# Altium PCB AMS_LV.PcbDoc (part 2 of 2)
Units mm, origin at the board's own origin, x right, y up, seen from the top; angles counter-clockwise.
Board outline 96.8 x 127.1 mm, 2 copper layers (Top Layer, Bottom Layer); 108 components, 81 nets, 367 pads, 182 vias.
Unrouted connection lines stored in the file: 4.
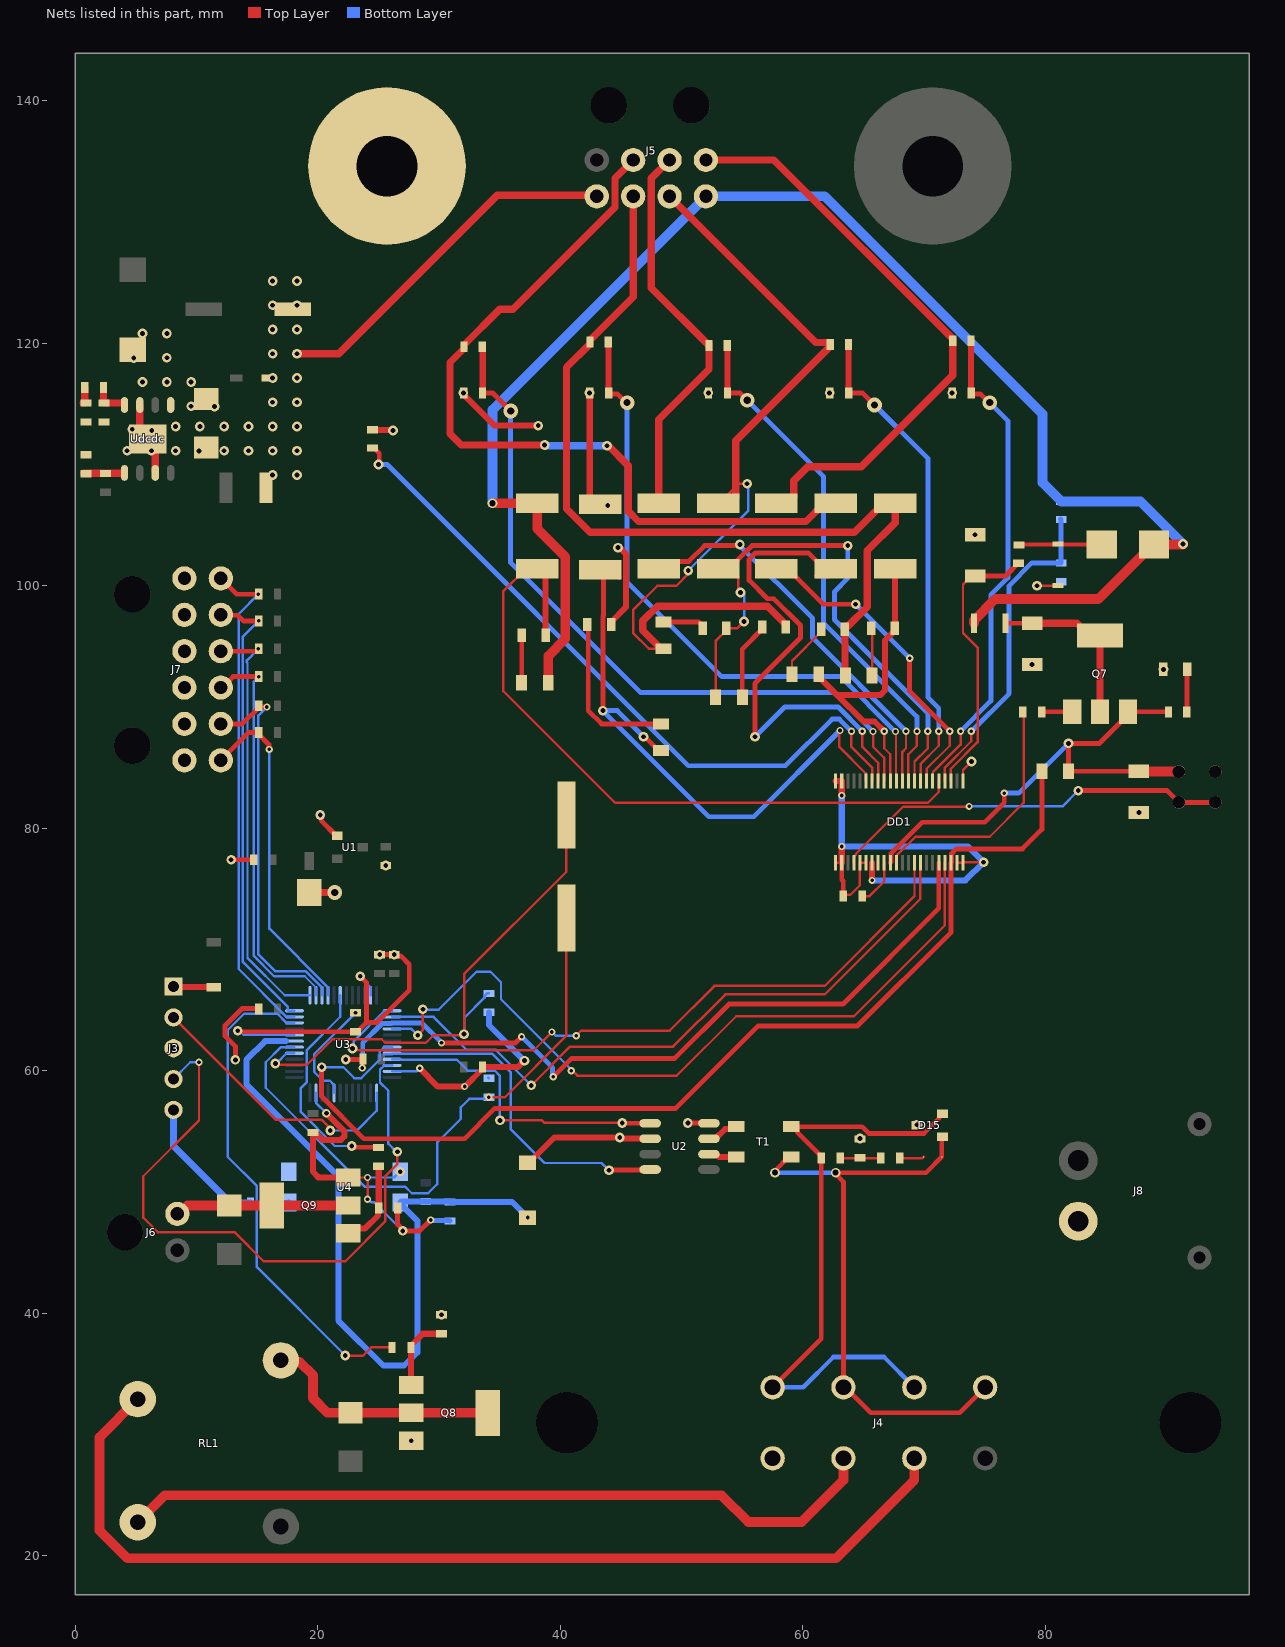
[diagram p2: the nets of this part, all layers, seen from the top]

## Via types
v1: diameter 0.8, hole 0.4, Top Layer to Bottom Layer, 69 vias
v2: diameter 0.8, hole 0.4, Top Layer to Bottom Layer, tented both sides, 59 vias
v3: diameter 0.6, hole 0.3, Top Layer to Bottom Layer, 43 vias
v4: diameter 1.2, hole 0.6, Top Layer to Bottom Layer, 6 vias
v5: diameter 0.8, hole 0.5, Top Layer to Bottom Layer, 3 vias
v6: diameter 0.7, hole 0.4, Top Layer to Bottom Layer, 1 vias
v7: diameter 1, hole 0.5, Top Layer to Bottom Layer, 1 vias

## Nets (pads, with @x,y where several pads share a name; then routed paths per layer and width w, separated by ;. In a path a pad name is that pad's centre, name@x,y a point inside that pad or via, vN(x,y) a via of type N, cw(c..) or ccw(c..) an arc to the next point about the centre after c; other vN are vias at no path point) (continued)
"BAT V+": D14.1 J5.1 R2.2 R4.2 R31.2 R36.2 | length 127.3
  Top Layer w0.8: v5(34.4,106.8) R4.2@38.1,106.8 38.1,104.692 40.4,102.392 40.4,95.6 39,94.2 R2.2@39,92 ; R36.2@74.1,96.9 74.1,97.15 75.85,98.9 84.35,98.9 88.85,103.4 D14.1@88.95,103.4 91.307,103.4 v1(91.346,103.439)
  Bottom Layer w0.8: v5(34.4,106.8) 34.4,114.5 J5.1@52,132.1 61.8,132.1 79.75,114.15 79.75,108.5 R31.2@81.3,106.95 87.835,106.95 v1(91.346,103.439)
"BAT V-": "pad.Holder holes"@25.7,134.6 B1.2 C2.2 C3.2 C4.2 C5.2 C6.2 C7.2 C8.1 C9.1 C10.1 C11.2 C12.2 C13.2 C15.1 C16.2 C17.2 C18.1 C19.1 C20.1 C21.1 C22.1 C23.2 Cc1.1 Cin.2 Cout.1 D3.2 D13.1 D15.3 D17.2 DD1.1 DD1.21 DD1.22 DD1.23 DD1.24 DD1.27 DD1.28 DD1.29 DD1.43 DD1.44 Dout.1 Dtvs.1 J2.2 J3.3 J4.5 J5.4 J7.7 J7.8 J7.9 J7.10 J7.11 J7.12 J8.2 Q8.3 Q9.3 R5.2 R15.2 R42.2 R43.2 R50.2 Rc.1 Rf2.1 U1.1 U2.2 U2.8 U3.8 U3.23 U3.35 U3.47 U4.2 U4.3 Udcdc.3 Udcdc.7 Udcdc.A VD1.2 | length 213.4
  Top Layer w0.2: Q9.3@22.5,51.2 23,51.7 23.5,51.2 v3(24.1,51.2) v3(24.1,49.4) ; DD1.23@62.7,77.15 DD1.24@63.2,77.15 ; C15.1@63.32,74.4 63.42,74.5 63.9,74.5 64.7,75.3 DD1.27@64.7,77.15 DD1.28@65.2,77.15 ; DD1.43@72.7,77.15 DD1.44@73.2,77.15 73.2,77.175 73.225,77.2 v1(74.9,77.2) ; DD1.1@73.2,83.9 73.2,84.8 v1(73.9,85.5) ; v1(79.3,100) VD1.2@81.1,100
  Top Layer w0.254: 34.8,132.05 34.8,132.2
  Top Layer w0.4: v1(12.85,77.4) C9.1@14.72,77.4 ; v1(13.2,60.9) 13.2,62.015 12.35,62.865 12.35,63.735 13.753,65.137 15.083,65.137 C21.1@15.12,65.1 ; v1(13.4,63.3) 13.508,63.3 13.588,63.22 23.25,63.22 24,63.97 ; v1(20.2,81.1) 20.277,81.023 20.277,80.623 21.5,79.4 U1.1@21.6,79.4 ; v1(23.5,67.8) 24,67.3 24,63.97 ; v1(25.1,69.58) v1(26.3,69.58) 26.4,69.48 26.82,69.48 27.534,68.766 27.534,66.634 24.87,63.97 24,63.97 ; R43.2@26.58,48.85 R43.2@26.58,48.7 26.58,47.328 27,46.908 v1(27,46.8) 28.4,46.8 v3(29.3,47.7) ; v1(50.51,55.69) 52.23,55.69 U2.8@52.25,55.67 ; DD1.24@63.2,77.15 63.2,75.773 63.32,75.653 C15.1@63.32,74.4
  Top Layer w0.5: v6(20.7,56.5) 22.193,55.007 22.193,54.593 21.9,54.3 20.37,54.3 19.75,54.92 C22.1@19.6,54.92 19.6,51.681 20,51.281 20,51.2 Q9.3@22.5,51.2 ; R15.2@24.5,112.85 v1@26.25,112.85 ; v3(28.4,60.2) 29.9,58.7 v3(32.1,58.7) 32.13,58.7 33.58,60.15 C18.1@33.58,60.3 36.5,60.3 v1(37.037,60.837) ; C2.2@32.02,115.9 32.02,115.75 34.57,113.2 v1(38.18,113.2) v1@38.2,113.2 ; B1.2@37.3,52.4 37.4,52.4 39.5,54.5 v1(44.9,54.5) 44.981,54.5 45.081,54.4 47.316,54.4 U2.2@47.358,54.358 ; C3.2@42.42,115.9 42.42,107.25 42.97,106.7 R5.2@43.3,106.7 ; D3.2@44.175,96.8 44.175,97 45.425,98.25 45.425,102.575 v1@44.8,103.2 ; DD1.22@62.7,83.9 DD1.21@63.2,83.9 v3(63.2,82.7) ; DD1.24@63.2,77.15 v3(63.2,78.5) ; v3(65.7,75.7) DD1.29@65.7,77.15
  Top Layer w0.6: Udcdc.3@5.325,114.9 5.325,112.735 Udcdc.A@5.96,112.1 Udcdc.A@6.595,111.465 ; Udcdc.7@6.595,109.425 Udcdc.A@6.595,111.465 ; Udcdc.A@6.595,112.24 Udcdc.A@6.595,111.465 ; v2(18.275,119.125) 21.725,119.125 34.8,132.2 42.9,132.2 J5.4@43,132.1 ; D13.1@19.3,74.7 v4(21.4,74.7)
  Bottom Layer w0.2: v1(13.2,60.9) v1@13.3,61 ; v1@13.3,63.2 v1(13.4,63.3) 13.562,63.3 13.912,62.95 U3.8@18.075,62.95 ; U3.47@19.85,58.175 19.86,58.165 19.86,57.34 v6(20.7,56.5) ; v1(23.5,67.8) 23.5,67.738 24.35,66.888 U3.23@24.35,66.225 ; v3(24.1,49.4) 24.167,49.4 24.417,49.15 24.65,49.15 v1(27,46.8) ; v3(24.1,51.2) 26.27,51.2 26.77,51.7 v1(26.8,51.67) ; U3.35@26.125,59.95 28.15,59.95 v3(28.4,60.2) ; C17.2@34.062,59.418 C17.2@34.1,59.38
  Bottom Layer w0.4: v3(29.3,47.7) 29.338,47.662 30.858,47.662 C23.2@30.9,47.62
  Bottom Layer w0.5: C16.2@34.1,64.82 34.1,64.77 34.1,63.775 v1(37.037,60.837) ; v3(63.2,82.7) v3(63.2,78.5) 73.6,78.5 v1(74.9,77.2) 73.4,75.7 v3(65.7,75.7)
  other v1: 27.7,29.5 30.2,39.88 64.7,54.415 69.4,55.55 25.6,76.92 87.7,81.3 89.725,93.1 78.9,93.5 44.746,103.139 74.2,104.2 43.9,106.6 26.196,112.789 32,115.9 42.4,115.9 52.2,115.9 62.2,115.9 72.3,115.9
  other v2: 16.275,109.125 18.275,109.125 10.2,111.1 4.275,111.125 6.275,111.125 8.275,111.125 12.275,111.125 14.275,111.125 16.275,111.125 18.275,111.125 6.3,112.8 4.7,112.9 8.275,113.125 10.275,113.125 12.275,113.125 14.275,113.125 16.275,113.125 18.275,113.125 16.275,115.125 18.275,115.125 16.275,117.125 18.275,117.125 16.275,119.125 16.275,121.125 18.275,121.125 16.275,123.125 18.275,123.125 16.275,125.125 18.275,125.125
C0: DD1.16 R15.1 | length 57.8
  Top Layer w0.2: v3(64,88) 64,86.7 65.7,85 DD1.16@65.7,83.9
  Top Layer w0.4: R15.1@24.5,111.35 24.65,111.35 25.069,110.931 25.069,110.069 v1(25,110)
  Bottom Layer w0.4: v1(25,110) 25.7,110 50.55,85.15 58.55,85.15 62.4,89 63,89 v3(64,88)
C1: C2.1 DD1.14 R26.1 | length 59.4
  Top Layer w0.2: v3(65.773,87.973) 65.8,87.945 65.8,86.7 66.7,85.8 DD1.14@66.7,83.9
  Top Layer w0.4: C2.1@33.58,115.9 34.4,115.9 v4(35.895,114.405)
  Top Layer w0.5: R26.1@33.55,119.7 33.6,119.65 33.6,115.92 C2.1@33.58,115.9
  Bottom Layer w0.4: v4(35.895,114.405) 35.895,101.905 46.6,91.2 62.6,91.2 64.167,89.633 64.167,89.617 65.773,88.011 v3(65.773,87.973)
C2: C3.1 DD1.12 R27.1 | length 52
  Top Layer w0.2: v3(67.627,87.973) 67.675,87.925 67.675,84.176 DD1.12@67.7,84.151
  Top Layer w0.4: C3.1@44.03,115.814 44.705,115.814 v4@45.419,115.1
  Top Layer w0.5: R27.1@43.95,120.1 43.965,120.085 43.965,115.915 C3.1@43.98,115.9 43.98,115.864 C3.1@44.03,115.814 ; v4@45.419,115.1 v4(45.5,115.1)
  Bottom Layer w0.4: v4(45.5,115.1) 45.5,100.3 53.3,92.5 63.1,92.5 v3(67.627,87.973)
C3: C4.1 DD1.10 R28.1 | length 43.5
  Top Layer w0.2: DD1.10@68.7,83.9 68.7,86.1 69.4,86.8 v3(69.4,88) v3@69.4,88.2
  Top Layer w0.4: C4.1@53.78,115.9 54.8,115.9 v4(55.4,115.3)
  Top Layer w0.5: R28.1@53.75,119.8 53.765,119.785 53.765,115.915 C4.1@53.78,115.9
  Bottom Layer w0.4: v4(55.4,115.3) 61.7,109 61.7,96.9 69.4,89.2 v3(69.4,88)
C4: C5.1 DD1.8 R29.1 | length 40.3
  Top Layer w0.2: DD1.8@69.7,83.9 69.7,85.3 71.2,86.8 v3@71.2,87.9
  Top Layer w0.4: C5.1@63.78,115.9 64.9,115.9 v4(65.9,114.9)
  Top Layer w0.5: R29.1@63.75,119.9 63.765,119.885 63.765,115.915 C5.1@63.78,115.9
  Bottom Layer w0.4: v4(65.9,114.9) 70.3,110.5 70.3,90.8 71.2,89.9 v3(71.2,88)
C5: C6.1 DD1.6 R30.1 | length 40.7
  Top Layer w0.2: DD1.6@70.7,83.9 70.725,83.925 70.725,84.625 73,86.9 v3(73,88) v3@73,88.2
  Top Layer w0.4: C6.1@73.93,115.814 74.605,115.814 v4@75.319,115.1
  Top Layer w0.5: R30.1@73.85,120.2 73.865,120.185 C6.1@73.865,115.915 ; C6.1@73.88,115.864 C6.1@73.93,115.814 ; v4@75.319,115.1 v4(75.4,115.1)
  Bottom Layer w0.4: v3(73,88) 75.5,90.5 75.5,99.242 76.9,100.642 76.9,113.6 v4(75.4,115.1)
C6: C7.1 DD1.4 R31.1 | length 27
  Top Layer w0.2: DD1.4@71.7,83.9 71.7,85 73.875,87.175 v3(73.875,87.991)
  Bottom Layer w0.4: v3(73.875,87.991) 73.884,88 73.9,88 77,91.1 77,100 78.88,101.88 C7.1@81.3,101.88 81.275,101.905 81.275,105.475 R31.1@81.25,105.5
CAN_N: D15.1 J4.2 J4.4 SB1.1 T1.3 | length 49.3
  Top Layer w0.381: v5(57.7,51.6) 57.78,51.68 57.78,51.855 58.75,52.825 T1.3@58.9,52.825 ; D15.1@71.6,54.55 D15.1@71.5,54.55 71.45,54.55 SB1.1@71.45,52.9 70.15,51.6 v5(62.7,51.6) 62.7,51.506 63.34,50.866 J4.2@63.34,33.9 63.5,33.9 65.6,31.8 72.925,31.8 J4.4@75.025,33.9
  Bottom Layer w0.381: v5(57.7,51.6) v5(62.7,51.6)
CAN_P: D15.2 J4.1 J4.3 R32.2 T1.4 | length 52
  Top Layer w0.381: J4.1@57.5,33.9 61.52,37.92 R32.2@61.52,52.8 61.52,52.95 59.535,54.936 59.535,55.14 T1.4@59.275,55.4 ; T1.4@59.05,55.4 T1.4@59.275,55.4 ; D15.2@71.5,56.45 71.4,56.45 71.24,56.29 71.24,56.094 69.981,54.834 65.442,54.834 64.876,55.4 T1.4@59.275,55.4
  Bottom Layer w0.381: J4.1@57.56,33.84 J4.1@57.5,33.9 60.019,33.9 62.519,36.4 66.68,36.4 J4.3@69.18,33.9 J4.3@69.18,33.3
CAN_RX: U2.4 U3.32 | length 28.7
  Top Layer w0.4: v1(44,51.8) 44.03,51.83 47.37,51.83 U2.4@47.4,51.86
  Bottom Layer w0.2: U3.32@25.475,61.375 U3.32@26.125,61.375 ; U3.32@26.125,61.4 34.4,61.4 35.9,59.9 35.9,55.2 38.7,52.4 43.4,52.4 v1(44,51.8)
CAN_TX: U2.1 U3.33 | length 25.6
  Top Layer w0.2: v1(35.014,55.914) 38.486,55.914 38.7,55.7 v1(45.1,55.7)
  Top Layer w0.381: v1(45.1,55.7) 45.115,55.685 47.385,55.685 U2.1@47.4,55.67
  Bottom Layer w0.2: U3.33@26.125,60.95 26.135,60.94 26.822,60.94 26.836,60.925 31.453,60.925 32.378,60 34.6,60 35.014,59.586 v1(35.014,55.914) v1@35,55.9
CELL2: J5.7 R9.2 R26.2 | length 67
  Top Layer w0.6: v1(38.7,111.6) 31.825,111.6 30.9,112.525 30.9,118.4 32.05,119.55 R26.2@32.05,119.7 32.05,119.85 35,122.8 36.1,122.8 44.5,131.2 44.5,133.6 J5.7@46,135.1 ; v1@43.9,111.6 45.6,109.9 45.6,106.148 46.448,105.3 60.25,105.3 61.75,106.8 R9.2@62.7,106.8
  Bottom Layer w0.6: v1@38.761,111.539 v1(43.846,111.539)
CELL3: D2.2 J5.3 R3.2 R10.2 R27.2 | length 73
  Top Layer w0.6: J5.3@46,132.1 46,123.8 42.45,120.25 R27.2@42.45,120.1 42.45,119.95 40.5,118 40.5,106.349 42.449,104.4 64.25,104.4 66.65,106.8 R10.2@67.6,106.8 67.6,105.2 65.3,102.9 65.3,98.25 63.7,96.65 63.5,96.65 63.45,96.6 D2.2@63.45,96.4 63.475,96.375 63.475,92.625 R3.2@63.5,92.6
CELL4: J5.6 R6.2 R28.2 | length 32.7
  Top Layer w0.6: R6.2@48.1,106.8 48.1,113.7 52.25,117.85 R28.2@52.25,119.8 52.25,119.95 52.1,119.95 47.5,124.55 47.5,133.6 J5.6@49,135.1
CELL5: D1.2 J5.2 R1.2 R7.2 R29.2 | length 75.3
  Top Layer w0.2: R1.2@48.5,94.8 48.3,94.8 47.3,94.8 46,96.1 46,98 48,100 49.568,100 50.6,101.032 v1@50.6,101.3 ; R7.2@53,106.8 53.06,106.739 53.121,106.8 54.45,108.128 54.721,108.4 v1(55.4,108.4)
  Top Layer w0.6: R1.2@48.3,94.8 46.8,96.3 46.8,97.1 48,98.3 57.075,98.3 58.575,96.8 D1.2@58.575,96.6 ; J5.2@49,132.1 61.05,120.05 62.25,120.05 R29.2@62.25,119.9 62.25,119.75 54.45,111.95 54.45,108.128 54.45,107.3 53.95,106.8 53.121,106.8 R7.2@53,106.8
  Bottom Layer w0.2: v1(50.546,101.239) 55.5,106.193 v1@55.5,108.4
CELL6: J5.5 R8.2 R30.2 | length 49.2
  Top Layer w0.6: J5.5@52,135.1 57.6,135.1 72.35,120.35 R30.2@72.35,120.2 72.35,117.35 64.8,109.8 60.4,109.8 59.25,108.65 59.25,107.3 58.75,106.8 R8.2@57.8,106.8
DRIVE: DD1.33 R37.1 | length 20.4
  Top Layer w0.2: DD1.33@67.7,77.15 67.725,77.175 67.725,77.743 69.282,79.3 75.4,79.3 78.2,82.1 78.2,89.52 R37.1@78.12,89.6
DTEN: DD1.26 J1.1 J2.1 | length 33
  Top Layer w0.2: DD1.26@64.2,77.15 64.2,77.65 64.35,77.8 64.35,77.868 68.257,81.775 73.675,81.775 v3(73.7,81.8)
  Top Layer w0.4: v1(82.7,83.1) 90.03,83.1 J1.1@91,82.13 J2.1@94,82.13
  Bottom Layer w0.2: v3(73.7,81.8) 81.4,81.8 v1(82.7,83.1)
"LTC V+": C11.1 DD1.3 R34.2 | length 23
  Top Layer w0.2: DD1.3@72.2,83.9 72.2,84.9 74.4,87.1 74.4,94.9 73.2,96.1 73.2,100.1 73.9,100.8 C11.1@74.2,100.8
  Top Layer w0.4: C11.1@74.2,100.8 76.7,100.8 R34.2@77.8,101.9
LTC_VREG: C13.1 DD1.32 J1.2 Q7.3 R35.2 R38.1 | length 40.6
  Top Layer w0.4: DD1.32@67.2,77.15 67.25,77.2 67.25,77.91 69.84,80.5 75,80.5 76.6,82.1 v3(76.6,82.9) ; C13.1@87.7,84.7 R35.2@81.9,84.7 v1(81.9,87) 84.45,87 86.8,89.35 Q7.3@86.8,89.6 R38.1@90.15,89.6
  Top Layer w0.8: C13.1@87.7,84.7 87.715,84.685 90.985,84.685 J1.2@91,84.67
  Bottom Layer w0.4: v3(76.6,82.9) 77.8,82.9 v1(81.9,87)
NetC10_2: C10.2 R32.1 R33.2 | length 3.4
  Top Layer w0.2: R32.1@63.08,52.8 R33.2@66.42,52.8
  Top Layer w0.4: R32.1@63.08,52.8 R32.1@63.09,52.81 ; R33.2@66.41,52.81 R33.2@66.42,52.8
NetC12_1: C12.1 Q7.2 R36.1 | length 14.5
  Top Layer w0.4: R36.1@76.7,96.9 C12.1@78.9,96.9
  Top Layer w0.6: C12.1@78.9,96.9 82.6,96.9 83.6,95.9 Q7.2@84.5,95.9 Q7.2@84.5,89.6
NetC14_2: DD1.30
NetC15_2: C15.2 DD1.31 | length 3.9
  Top Layer w0.2: C15.2@64.88,74.4 65.48,74.4 66.7,75.62 DD1.31@66.7,77.15
NetC16_1: C16.1 U3.5 Y1.2 | length 44.7
  Top Layer w0.2: v1(16.5,60.6) 16.6,60.5 19.1,60.5 21.2,62.6 25.265,62.6 25.561,62.304 28.904,62.304 29.529,62.929 32.058,62.929 32.058,67.976 40.5,76.418 Y1.2@40.5,81.1
  Bottom Layer w0.2: v1(16.5,60.6) 16.577,60.6 17.427,61.45 U3.5@18.075,61.45 ; v1(32.058,63.025) 32.058,64.338 33.75,66.03 33.75,66.18 33.95,66.38 C16.1@34.1,66.38
NetC17_1: C17.1 U3.6 Y1.1 | length 51.1
  Top Layer w0.2: v3(34.1,57.82) 35.42,57.82 40.5,62.9 Y1.1@40.5,72.6
  Bottom Layer w0.2: U3.6@18.075,61.95 16.95,61.95 15.7,60.7 15.7,58.6 23.85,50.45 27.198,50.45 27.748,49.9 29.088,49.9 29.85,50.662 29.85,54.1 31.8,56.05 31.8,57 32.5,57.7 33.98,57.7 v3(34.1,57.82)
NetCc1_2: Cc1.2 Cc2.2 Udcdc.4 | length 3.1
  Top Layer w0.6: Cc2.2@2.33,116.325 2.33,115.055 Cc1.2@2.375,115.055 4.045,115.055 Udcdc.4@4.045,114.975
NetCc2_1: Cc2.1 Rc.2 | length 1.4
  Top Layer w0.6: Rc.2@0.65,115.055 0.77,115.055 Cc2.1@0.77,116.325
NetD1_1: D1.1 R11.1 | length 6.5
  Top Layer w0.4: R11.1@55,90.8 55,94.775 56.625,96.4 D1.1@56.625,96.6
NetD2_1: D2.1 R12.1 | length 4.7
  Top Layer w0.2: R12.1@59.1,92.7 59.1,93.8 61.5,96.2 D2.1@61.5,96.4
NetD3_1: D3.1 R13.1 | length 13.6
  Top Layer w0.4: D3.1@42.225,96.8 42.3,96.725 42.3,89.7 43.4,88.6 R13.1@48.3,88.6
NetD4_1: D4.1 R1.1 | length 3.5
  Top Layer w0.4: R1.1@48.5,97 51.425,97 51.725,96.7 D4.1@51.725,96.5
NetD5_1: D5.1 R2.1 | length 3.9
  Top Layer w0.4: R2.1@36.8,92 36.813,92.013 36.813,95.888 D5.1@36.825,95.9
NetD6_1: D6.1 R3.1 | length 3.9
  Top Layer w0.2: D6.1@65.625,96.5 65.7,96.425 R3.1@65.7,92.6
NetD14_2: D14.2 R34.1 VD1.1 | length 6.8
  Top Layer w0.3: R34.1@77.8,103.4 81.3,103.4 D14.2@84.65,103.4
NetD16_1: D16.1 J3.1 | length 3.1
  Top Layer w0.2: J3.1@8.3,66.88 J3.1@8.32,66.9
  Top Layer w0.5: J3.1@8.32,66.9 D16.1@11.4,66.9
NetD17_1: D17.1 R38.2 | length 3.5
  Top Layer w0.4: R38.2@91.65,89.6 91.662,89.612 91.662,93.087 D17.1@91.675,93.1
NetD18_1: D18.1 Q8.2 RL1.1 | length 20
  Top Layer w0.8: RL1.1@16.95,36.125 17.075,36 18.5,36 19.6,34.9 19.6,33 20.8,31.8 D18.1@22.7,31.8 Q8.2@27.7,31.8 Q8.2@34,31.8
NetD19_1: D19.1 J6.2 Q9.2 | length 14.6
  Top Layer w0.8: J6.2@8.22,48.2 8.545,48.2 9.245,48.9 D19.1@12.7,48.9 Q9.2@16.2,48.9 Q9.2@22.5,48.9
NetDout_2: Dout.2 Lout.1 Udcdc.1
  other v2: 11.475,114.775 9.55,114.8 5.55,116.8 7.55,116.8 9.55,116.8 4.825,118.775 7.55,118.8 5.55,120.8 7.55,120.8
NetQ7_1: Q7.1 R37.2 | length 2.5
  Top Layer w0.4: R37.2@79.68,89.6 Q7.1@82.2,89.6
NetQ8_1: Q8.1 R42.1 R44.1 | length 6.2
  Top Layer w0.5: Q8.1@27.7,34.1 27.68,34.12 R44.1@27.68,37.2 27.68,37.35 28.65,38.32 R42.1@30.2,38.32
NetQ9_1: Q9.1 R43.1 R45.1 | length 7.1
  Top Layer w0.5: Q9.1@22.5,46.6 22.905,47.005 23.905,47.005 24.97,48.07 24.97,48.65 R43.1@25.02,48.7 R45.1@25.02,52.1
NetR33_1: R33.1 SB1.2 | length 2.2
  Top Layer w0.2: R33.1@67.98,52.8 69.85,52.8 SB1.2@69.95,52.9
  Top Layer w0.4: R33.1@67.98,52.8 R33.1@68.08,52.9
NetR44_2: R44.2 U3.10 | length 41.4
  Top Layer w0.2: v1@22.2,36.5 23.71,36.5 24.41,37.2 R44.2@26.12,37.2
  Bottom Layer w0.2: U3.10@18.075,63.95 17.427,63.95 16.677,64.7 13.916,64.7 12.575,63.359 12.575,52.899 14.975,50.499 14.975,43.811 v1(22.258,36.529)
NetR45_2: R45.2 U3.18 | length 18.6
  Top Layer w0.4: v1(22.8,53.8) 22.908,53.8 23.008,53.7 24.98,53.7 R45.2@25,53.68
  Bottom Layer w0.2: U3.18@21.85,66.225 21.85,64.451 19.075,61.676 19.075,59.046 18.6,58.571 18.6,56.6 21.4,53.8 v1(22.8,53.8)
NetR50_1: R50.1 U3.44 | length 9
  Bottom Layer w0.2: U3.44@21.35,58.175 21.35,58.819 21.202,58.967 21.202,58.969 20.996,59.175 20.425,59.175 19.7,59.9 19.7,61.38 v3(23.1,64.78)
NetR52_2: R52.2 U4.1 | length 1.7
  Bottom Layer w0.5: R52.2@15.95,49.1 17.57,49.1 U4.1@17.6,49.13
NetRf1_1: Rf1.1 Rf2.2 Udcdc.5 | length 3.5
  Top Layer w0.6: Rf2.2@0.7,109.27 2.45,109.27 4.045,109.27 Udcdc.5@4.045,109.375
NetT1_1: T1.1 U2.7 | length 2.7
  Top Layer w0.5: U2.7@52.25,54.4 52.78,54.4 53.58,55.2 54.3,55.2 T1.1@54.5,55.4
NetT1_2: T1.2 U2.6 | length 2.4
  Top Layer w0.5: U2.6@52.292,53.088 U2.6@52.25,53.13 52.84,53.13 53.07,52.9 T1.2@54.5,52.9
NRST: B1.1 C23.1 R51.1 U3.7 U4.4 | length 61.1
  Bottom Layer w0.5: U3.7@17.382,62.45 15.65,62.45 14.1,60.9 14.1,58.9 21.7,51.3 21.7,39.4 25.4,35.7 27.107,35.7 28.2,36.793 28.2,47.63 26.8,49.03 U4.4@26.8,49.13 26.89,49.22 R51.1@28.9,49.22 C23.1@30.9,49.22 ; C23.1@30.9,49.18 30.91,49.19 36.01,49.19 v3(37.3,47.9)
PSENS1: J7.1 R39.1 U3.11 | length 41.5
  Top Layer w0.4: J7.1@12,100.6 13.3,99.3 v3(15.1,99.3) R39.1@15.12,99.3
  Bottom Layer w0.2: v3(15.1,99.3) 13.475,97.675 13.475,68.402 17.427,64.45 U3.11@18.075,64.45
PSENS2: J7.2 R40.1 U3.12 | length 38.1
  Top Layer w0.4: J7.2@12,97.6 12.043,97.557 13.41,97.557 13.867,97.1 v3(15.12,97.1)
  Bottom Layer w0.2: v3(15.12,97.1) 13.8,95.78 13.8,69 17.527,65.273 17.527,64.975 17.552,64.95 U3.12@18.075,64.95
PSENS3: J7.3 R41.1 U3.13 | length 35.5
  Top Layer w0.2: R41.1@14.92,94.6 R41.1@15.12,94.8
  Top Layer w0.4: J7.3@12,94.6 R41.1@14.92,94.6
  Bottom Layer w0.2: v3(15.1,94.8) 14.145,93.845 14.145,93.68 14.2,93.625 14.2,69.3 17.275,66.225 U3.13@19.35,66.225
PSENS4: J7.4 R47.1 U3.14 | length 33.6
  Top Layer w0.4: J7.4@12,91.6 12.114,91.6 13.014,92.5 v3(15.12,92.5)
  Bottom Layer w0.2: v3(15.12,92.5) 15.12,92.491 14.7,92.071 14.7,69.5 16.4,67.8 18.921,67.8 19.831,66.89 19.831,66.244 U3.14@19.85,66.225
PSENS5: J7.5 R48.1 U3.15 | length 32.3
  Top Layer w0.4: J7.5@12,88.6 13.77,88.6 15.12,89.95 R48.1@15.12,90.1 15.22,90 v3(15.8,90)
  Bottom Layer w0.2: v3(15.8,90) 15.1,89.3 15.1,69.6 16.5,68.2 19.023,68.2 20.35,66.873 U3.15@20.35,66.225
PSENS6: J7.6 R49.1 U3.16 | length 28.1
  Top Layer w0.4: J7.6@12,85.6 14.3,87.9 R49.1@15.12,87.9 15.12,87.75 15.962,86.908 15.962,86.538 v3(16,86.5)
  Bottom Layer w0.2: v3(16,86.5) 16,71.723 20.85,66.873 U3.16@20.85,66.225
RESET_LINE: J3.5 R52.1 | length 11.3
  Bottom Layer w0.6: J3.5@8.1,56.78 8.1,53.8 12.8,49.1 R52.1@14.45,49.1
S0: DD1.17 R5.1 R13.2 | length 51.2
  Top Layer w0.2: v3(63.058,88.058) 63,88 63,86.7 65.175,84.525 65.175,83.925 DD1.17@65.2,83.9
  Top Layer w0.4: v1(43.5,89.7) 43.5,97.485 43.546,97.53 43.546,101.054 R5.1@43.3,101.3 44.25,101.3 44.85,100.7 R5.1@44.85,100.65 ; v1(46.846,87.539) 46.922,87.463 47.037,87.463 48.1,86.4 R13.2@48.3,86.4
  Bottom Layer w0.4: v1@47,87.4 44.7,89.7 v1(43.5,89.7) 52.25,80.95 55.95,80.95 v3(63.058,88.058)
S1: DD1.15 R9.1 | length 43.3
  Top Layer w0.2: v3(64.9,88) 64.9,86.7 66.2,85.4 DD1.15@66.2,83.9
  Top Layer w0.4: v1(56.046,87.539) 56.046,91.946 59.8,95.7 59.8,96.735 57.61,98.925 57.075,98.925 55.566,100.434 55.566,102.176 56.09,102.7 60.449,102.7 61.75,101.4 R9.1@62.7,101.4 62.1,100.8 R9.1@61.1,100.8
  Bottom Layer w0.4: v1(56.046,87.539) 58.507,90 62.9,90 v3(64.9,88)
S2: D6.2 DD1.13 R10.1 R12.2 | length 26.3
  Top Layer w0.2: v3(66.7,88) 66.7,86.6 67.2,86.1 DD1.13@67.2,83.9
  Top Layer w0.5: R12.2@61.3,92.7 61.3,92.5 62.8,91 ; v3(66.7,88) 65.9,88.8 65,88.8 62.8,91 ; R10.1@67.6,101.4 67.575,101.375 D6.2@67.575,96.5 67.575,96.3 66.768,95.493 66.768,91.361 66.407,91 62.8,91
S3: DD1.11 R6.1 | length 32.8
  Top Layer w0.2: DD1.11@68.2,83.9 68.2,86.292 68.5,86.592 v3(68.5,88)
  Top Layer w0.4: R6.1@48.1,101.4 48.7,102 50.59,102 51.89,103.3 54.417,103.3 54.441,103.323 54.723,103.323 v1(54.8,103.4)
  Bottom Layer w0.4: v1(54.8,103.4) 54.8,103.3 60.8,97.3 60.8,95.7 v3(68.5,88)
S4: D4.2 DD1.9 R7.1 R11.2 | length 47.5
  Top Layer w0.2: R11.2@52.8,90.8 52.8,95.425 53.675,96.3 D4.2@53.675,96.5 54.6,96.5 v1@55.2,97.1 ; R7.1@53,101.4 53.95,101.4 54.65,100.7 54.65,99.797 54.846,99.601 v1(54.846,99.439) ; DD1.9@69.2,83.9 69.2,85.5 70.3,86.6 v3(70.3,88) v3@70.3,88.1
  Top Layer w0.4: R7.1@53.95,101.4 54.55,102 54.55,102.05 55.8,103.3 v1(63.7,103.3)
  Bottom Layer w0.2: v1(55.146,97.039) v1@55.146,99.254
  Bottom Layer w0.4: v1(63.7,103.3) 63.7,100.6 62.6,99.5 62.6,97.2 70.3,89.5 v3(70.3,88)
S5: DD1.7 R8.1 | length 26.1
  Top Layer w0.2: DD1.7@70.2,83.9 70.2,84.9 72.1,86.8 v3@72.1,87.8
  Top Layer w0.4: R8.1@57.8,101.4 58.75,101.4 60.8,99.349 61.683,98.466 v1(64.346,98.466) ; v3(68.8,94.012) 68.8,91.3 v3(72.1,88)
  Bottom Layer w0.4: v1(64.346,98.466) v3(68.8,94.012)
S6: D5.2 DD1.5 R4.1 | length 58.7
  Top Layer w0.2: R4.1@38.1,101.4 37.15,101.4 35.3,99.55 35.3,91.3 44.5,82.1 70.3,82.1 71.2,83 DD1.5@71.2,83.9
  Top Layer w0.5: R4.1@38.1,101.4 38.225,101.4 38.775,100.85 D5.2@38.775,95.9
SD_in: J4.6 RL1.3 | length 63.3
  Top Layer w0.8: RL1.3@5.15,22.775 7.375,25 53.3,25 55.5,22.8 59.89,22.8 63.34,26.25 J4.6@63.34,28.05
SD_out: J4.7 RL1.4 | length 84.7
  Top Layer w0.8: RL1.4@5.15,32.925 2,29.775 2,22.1 4.3,19.8 62.73,19.8 69.18,26.25 J4.7@69.18,28.05
SPI_CLK: DD1.37 U3.26 | length 55.2
  Top Layer w0.2: v1(37.6,58.8) 40.8,62 49.3,62 53.6,66.3 61.8,66.3 69.675,74.175 69.675,77.125 DD1.37@69.7,77.15
  Bottom Layer w0.2: U3.26@26.125,64.45 29.55,64.45 32.275,61.725 34.675,61.725 v1(37.6,58.8)
SPI_CS: DD1.36 U3.25 | length 60
  Top Layer w0.2: v1(22.863,61.837) 22.977,61.723 23.257,61.723 23.28,61.7 37.8,61.7 v3(39.3,63.2) ; v3(41.3,62.9) 41.7,63.3 49,63.3 52.7,67 61.8,67 69.2,74.4 DD1.36@69.2,77.15 69.175,77.125 DD1.36@69.175,76.625
  Bottom Layer w0.2: v1(22.863,61.837) 22.977,61.952 22.977,62.45 25.477,64.95 U3.25@26.125,64.95 ; v3(39.3,63.2) 39.6,62.9 v3(41.3,62.9)
SPI_MISO: DD1.40 R46.2 U3.27 | length 64.5
  Top Layer w0.4: v1(22.3,60.925) 22.313,60.938 23.687,60.938 R46.2@23.697,60.947 ; v3(23.668,60.235) 23.697,60.263 R46.2@23.697,60.947 ; R46.2@23.725,60.975 R46.2@23.697,60.947 ; v3(30.2,62.3) 36.3,62.3 v3(36.8,62.8) ; v3(39.4,59.5) 40.9,61 49.4,61 53.9,65.5 63.3,65.5 71.2,73.4 DD1.40@71.2,77.15
  Bottom Layer w0.4: v3(23.668,60.235) 23.7,60.267 23.7,62.312 25.29,63.902 U3.27@26.077,63.902 ; U3.27@26.125,63.95 28.55,63.95 v3(30.2,62.3) ; v3(36.8,62.8) 39.362,60.238 39.362,59.538 v3(39.4,59.5)
SPI_MOSI: DD1.41 U3.28 | length 63.8
  Top Layer w0.2: v1@28.183,62.9 28.658,63.375 v1(28.658,65.075) ; v3(40.9,60) 41,60 41.4,59.6 49.6,59.6 54.5,64.5 64.2,64.5 71.7,72 DD1.41@71.7,77.15
  Bottom Layer w0.2: U3.28@26.125,63.45 27.719,63.45 v1(28.241,62.929) ; v1(28.658,65.075) 28.704,65.029 29.957,65.029 33.096,68.167 34.233,68.167 35.1,67.3 35.1,65.9 40.9,60.1 v3(40.9,60)
SWCLK: J3.2 U3.37 | length 22.9
  Top Layer w0.2: J3.2@8.1,64.4 16.545,55.955 20.345,55.955 21.044,55.256 21.029,55.241 v1(21.029,55.075)
  Bottom Layer w0.2: v1(21.029,55.075) 23.217,55.075 24.85,56.708 U3.37@24.85,58.175
SWDIO: J3.4 U3.34 | length 54.9
  Top Layer w0.2: v3(10.2,60.7) 10.2,55.9 5.6,51.3 5.6,47.9 6.8,46.7 13.118,46.7 15.518,44.3 22.268,44.3 25.545,47.577 25.545,51.299 26.558,52.312 v1(26.558,53.329)
  Bottom Layer w0.2: J3.4@8.1,59.32 9.48,60.7 v3(10.2,60.7) ; U3.34@26.125,60.45 25.477,60.45 25.125,60.098 25.125,59.046 25.813,58.358 25.813,53.987 v1@26.5,53.3
WDT: DD1.42 R35.1 U3.31 | length 90.2
  Top Layer w0.2: R35.1@79.6,84.8 R35.1@79.7,84.7
  Top Layer w0.4: v1(20.325,60.3) 20.3,60.275 20.3,57.9 23.8,54.4 32.1,54.4 34.6,56.9 49.5,56.9 56.3,63.7 64.5,63.7 72.2,71.4 DD1.42@72.2,77.15 72.25,77.2 72.25,77.91 72.64,78.3 78.1,78.3 79.7,79.9 R35.1@79.7,84.7
  Bottom Layer w0.2: v1(20.325,60.3) 22.1,60.3 23,59.4 23.576,59.4 25.1,60.924 25.1,61.573 25.477,61.95 U3.31@26.125,61.95
pads on no net: DD1.2 DD1.18 DD1.19 DD1.20 DD1.25 DD1.34 DD1.35 DD1.38 DD1.39 J4.A J5.8 J5.A J6.A J7.A J8.A U2.5 U3.2 U3.3 U3.4 U3.17 U3.19 U3.20 U3.21 U3.22 U3.29 U3.30 U3.38 U3.39 U3.40 U3.41 U3.42 U3.43 U3.45 U3.46 Udcdc.2 Udcdc.6

## Polygon pours and split planes (outlines as drawn)
+24V on Top Layer "+24V_L01_P012" (solid, pour order 12): 0,0 96.9,0 96.9,144 0,144
+5V on Top Layer "+5V_L01_P007" (solid, pour order 7): 12.3,116.7 14,116.7 14,127.2 13.9,127.3 3.4,127.3 3.4,122.9 3.5,122.8 8.2,122.8 9.7,121.3 9.7,119.3
"BAT V-" on Top Layer "BAT_V-_L01_P004" (solid, pour order 4): 14.2,106.3 14.2,109.9 0.1,109.9 0,110 0.2,110.2 0.2,114.2 14.2,114.2 14.3,114.3 14.3,127.3 19.4,127.3 19.6,127.1 19.6,106.3
NetDout_2 on Top Layer "NETDOUT_2_L01_P006" (solid, pour order 6): 14,116.2 14,114.4 7.4,114.4 7.4,116.5 3.7,116.5 3.6,116.4 3.6,121.9 7.9,121.9 9.1,120.7 9.1,119.3 12.2,116.2
+24V on Top Layer "+24V_L01_P005" (solid, pour order 5): 7.3,106.8 7.3,109.7 13.6,109.7 13.7,109.6 13.6,109.5 13.6,106.8
"BAT V-" on Bottom Layer "BAT_V-_L02_P013" (solid, pour order 13): 0,0 96.9,0 96.9,144 0,144
"BAT V-" on Bottom Layer "BAT_V-_L02_P008" (solid, pour order 8): 14.2,106.3 14.2,109.9 7.1,109.9 7.1,106.8 3.8,106.8 3.7,106.9 3.7,115.8 6.6,115.8 6.8,115.6 6.8,113.7 14.3,113.7 14.3,127.2 19.6,127.2 19.6,106.3
+5V on Bottom Layer "+5V_L02_P011" (solid, pour order 11): 3.4,122.9 3.3,123 3.3,127.3 14,127.3 14,116.5 12.3,116.5 9.7,119.1 9.7,121.4 8.3,122.8 3.6,122.8 3.5,122.9
NetDout_2 on Bottom Layer "NETDOUT_2_L02_P010" (solid, pour order 10): 12.1,114.4 12.1,116.5 9.1,119.5 9.1,120.8 8,121.9 3.6,121.9 3.6,116.6 7.35,116.6 7.4,116.65 7.4,114.4
+24V on Bottom Layer "+24V_L02_P009" (solid, pour order 9): 13.6,109.7 13.6,106.9 13.5,106.8 7.3,106.8 7.3,109.7